# Altium PCB Peak_Track.PcbDoc (part 1 of 2) (continued)
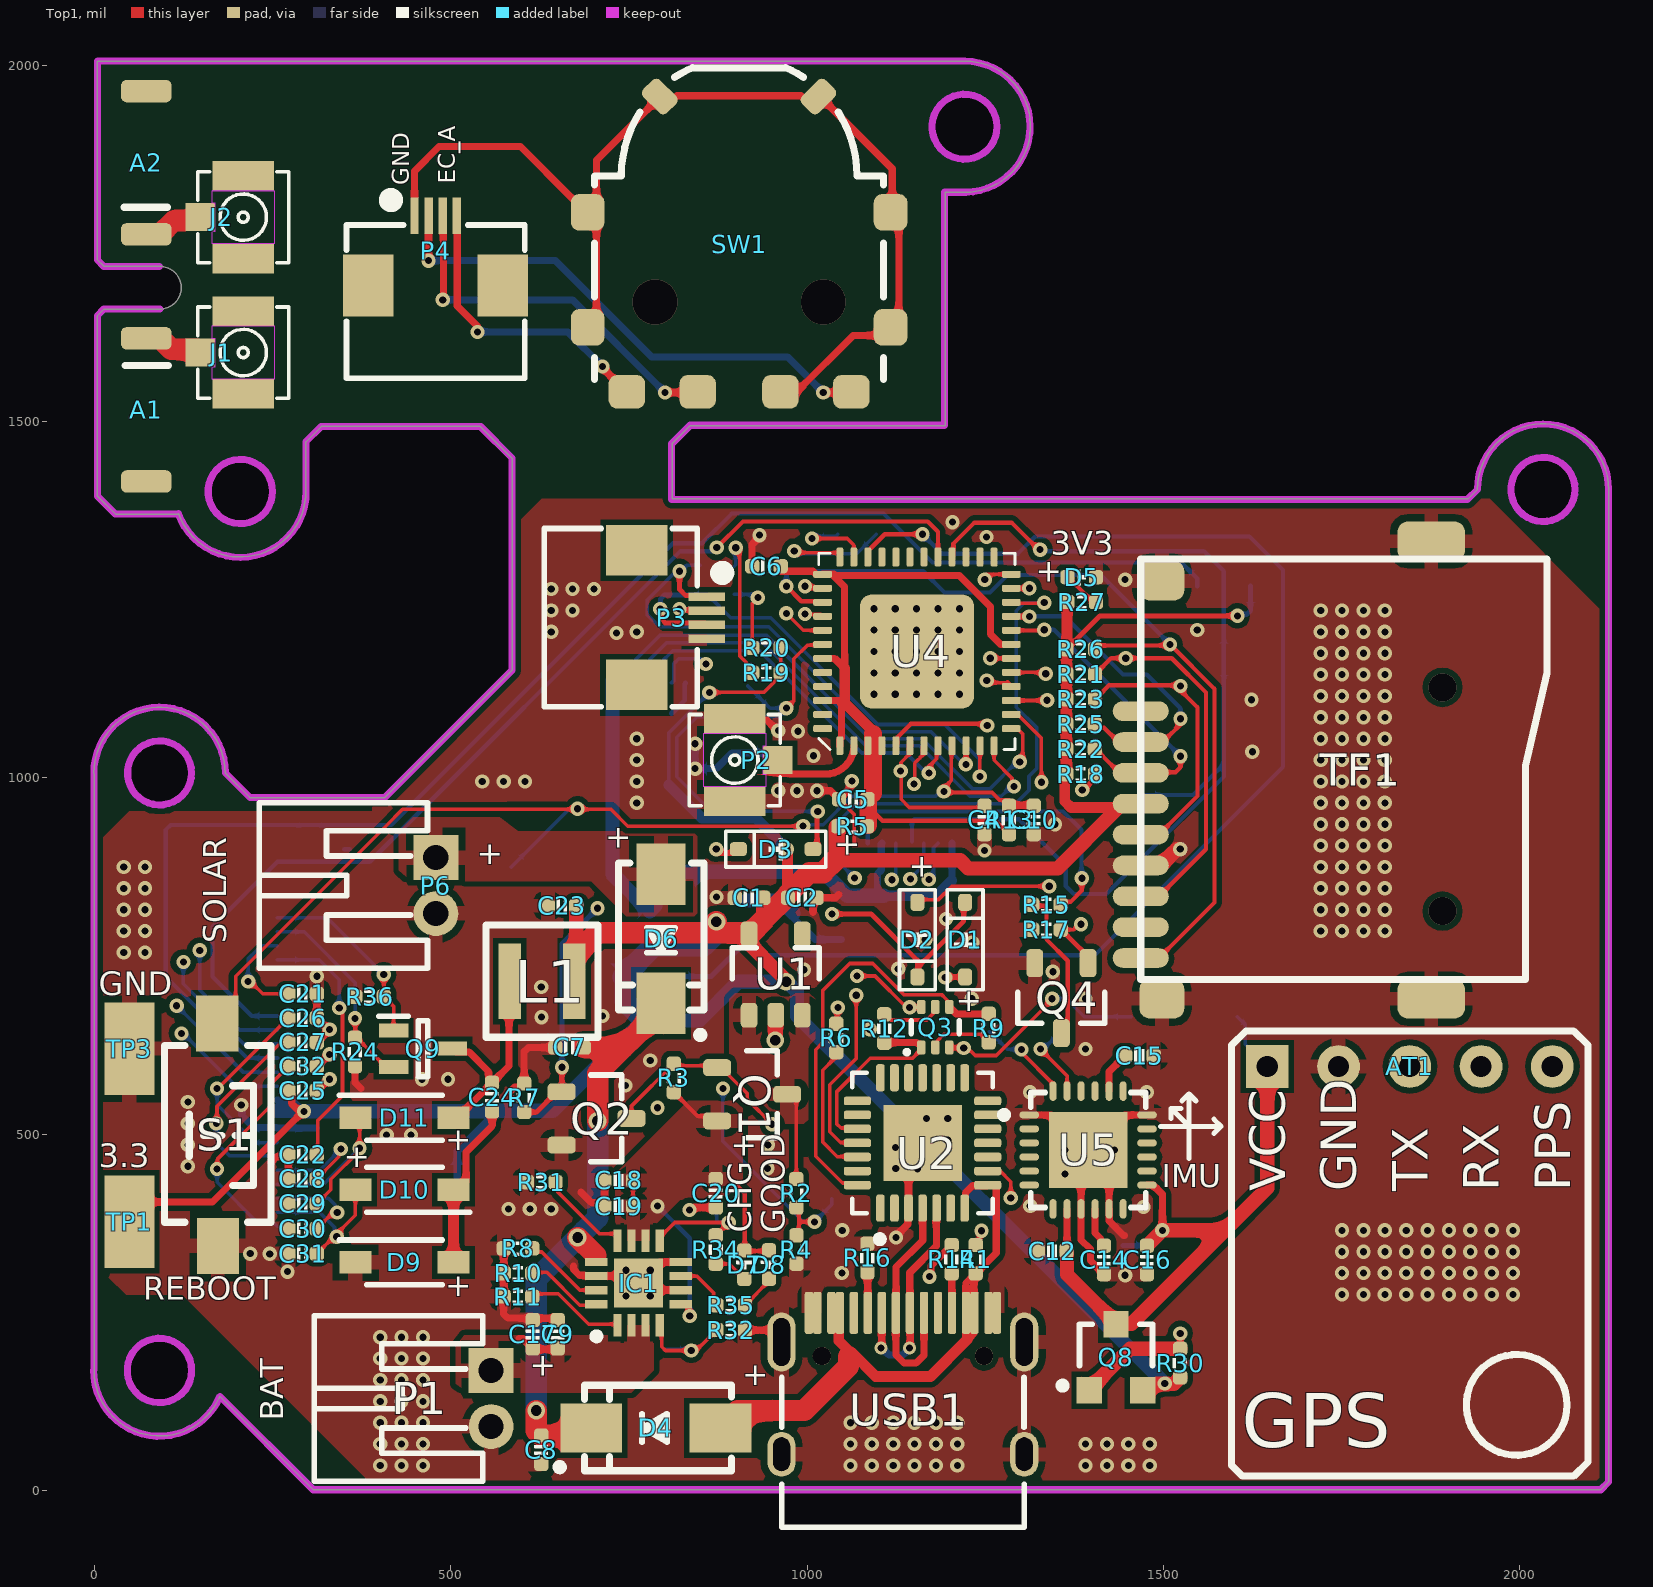
[diagram p0: Top1 view]
## Board outline
-0.7,168.37 -0.7,1005.32 -0.92,1007.32 cw(c91.11,1007.32) 183.13,1007.32 218.08,972.36 407.36,972.36 586,1151 586,1448.62 542.62,1492 540.65,1493.38 318.42,1493.38 296.65,1471.61 296.65,1402.09 cw(c204.63,1402.09) 118.16,1370.61 117.62,1370.24 29.44,1370.24 3.65,1396.04 3.65,1648.24 13.41,1658 91.65,1658 ccw(c91.65,1688) 91.65,1718 13.41,1718 3.65,1727.76 3.65,2006.02 1221.65,2006.02 cw(c1221.65,1914) 1221.65,1821.98 1193.65,1821.98 1193.65,1494.58 835.95,1494.58 810.5,1469.13 810.5,1391.5 1928.35,1391.5 1927.48,1391.5 1940.98,1405 cw(c2033,1405) 2125.02,1405 2125.38,1405 2125.38,242.19 2125.38,12.38 2113.62,0.62 307.38,0.62 176,132 174.72,129.48 cw(c91.32,168.37)
cut-out: 2033,1360 cw(c2033,1405) 1988,1405 cw(c2033,1405) 2033,1450 cw(c2033,1405) 2078,1405 cw(c2033,1405)
cut-out: 1221.65,1869 ccw(c1221.65,1914) 1266.65,1914 ccw(c1221.65,1914) 1221.65,1959 ccw(c1221.65,1914) 1176.65,1914 ccw(c1221.65,1914)
cut-out: 204.63,1447.09 cw(c204.63,1402.09) 249.63,1402.09 cw(c204.63,1402.09) 204.63,1357.09 cw(c204.63,1402.09) 159.63,1402.09 cw(c204.63,1402.09)
cut-out: 46.11,1007.32 cw(c91.11,1007.32) 91.11,1052.32 cw(c91.11,1007.32) 136.11,1007.32 cw(c91.11,1007.32) 91.11,962.32 cw(c91.11,1007.32)
cut-out: 91.32,123.37 cw(c91.32,168.37) 46.32,168.37 cw(c91.32,168.37) 91.32,213.37 cw(c91.32,168.37) 136.32,168.37 cw(c91.32,168.37)

## Design rules (kind name [scope] priority, off if disabled: settings)
BoardOutlineClearance [All] p1: gap=7.87 ignorepadtopadclearanceinfootprint=FALSE except(15.75: Arc-SplitBarrior Arc-SplitContinuation Track-SplitBarrior Track-SplitContinuation SMDPad-SplitBarrior SMDPad-SplitContinuation THPad-SplitBarrior THPad-SplitContinuation Via-SplitBarrior Via-SplitContinuation Fill-SplitBarrior Fill-SplitContinuation Poly-SplitBarrior Poly-SplitContinuation Region-SplitBarrior Region-SplitContinuation Text-SplitBarrior Text-SplitContinuation)
Clearance "Clearance Bottom Layer" [OnLayer('Bottom Layer')] p1: gap=8 ignorepadtopadclearanceinfootprint=TRUE except(10: Arc-Text Track-Text SMDPad-Text THPad-Text Via-Text Fill-Text Poly-Text Region-Text Text-Text)
Clearance "Clearance Top Layer" [OnLayer('Top Layer')] p2: gap=8 ignorepadtopadclearanceinfootprint=TRUE except(10: Arc-Text Track-Text SMDPad-Text THPad-Text Via-Text Fill-Text Poly-Text Region-Text Text-Text)
Clearance [All] p3: gap=7.87 ignorepadtopadclearanceinfootprint=FALSE except(3.5: Arc-Arc Arc-Track Arc-SMDPad Track-Track Track-SMDPad SMDPad-SMDPad; 5: Arc-Via Track-Via SMDPad-Via THPad-Via Via-Via; 10: Arc-Text Track-Text SMDPad-Text THPad-Text Via-Text Fill-Text Poly-Text Region-Text Text-Text)
DiffPairsRouting [All] p1: maxlimit=10 minlimit=10 mostfreqgap=10 toplayer_minwidth=15 toplayer_maxwidth=15 toplayer_prefwidth=15 midlayer1_minwidth=15 midlayer1_maxwidth=15 midlayer1_prefwidth=15 midlayer2_minwidth=15 midlayer2_maxwidth=15 midlayer2_prefwidth=15 bottomlayer_minwidth=15 bottomlayer_maxwidth=15 bottomlayer_prefwidth=15 maxuncoupledlength=500
HoleSize [All] p1: absolutevalues=TRUE maxlimit=248.03 minlimit=7.87 maxpercent=80.000 minpercent=20.000
MinimumAnnularRing [All] p1: minimumring=3
MinimumSolderMaskSliver [All] p1: minsoldermaskwidth=3.94
PolygonConnect PolygonConnect_1 [All] p1: thpad.connectstyle=Relief thpad.reliefconductorwidth=20 thpad.reliefentries=4 thpad.polygonreliefangle="90 Angle" thpad.airgapwidth=10 smdpad.connectstyle=Relief smdpad.reliefconductorwidth=20 smdpad.reliefentries=4 smdpad.polygonreliefangle="90 Angle" smdpad.airgapwidth=10 via.connectstyle=Direct via.reliefconductorwidth=20 via.reliefentries=4 via.polygonreliefangle="90 Angle" via.airgapwidth=10
RoutingCorners [All] p1: cornerstyle=Round minsetback=100 maxsetback=100
RoutingVias [All] p1: holewidth=19.68 width=39.37 viastyle="Through Hole" minholewidth=7.87 minwidth=17.72 maxholewidth=39.37 maxwidth=78.74
SilkToSilkClearance [All] p1: silktosilkclearance=3.94
SilkToSolderMaskClearance [IsPad] p1: minsilkscreentomaskgap=3.94 clearancetoexposedcopper=TRUE
SolderMaskExpansion [All] p1: expansion=4 istentingtop=FALSE
Width [All] p1: maxlimit=100 minlimit=3.5 preferedwidth=15
24 further rules are at their usual default settings.

## Classes and differential pairs
differential pair USB-PWR-D: +USB-PWR-D_P -USB-PWR-D_N

## Components (designator, comment, footprint, x,y, rotation, side; value= is the part's Value field where it differs from the comment)
A1 "AN2051-245" ANT-Rainsun-AN5120 72.65,1517 r270 top
A2 "AN2051-245" ANT-Rainsun-AN5120 72.65,1863 r90 top
AT1 "ATGM336H Module" PCBComponent_1 1596,20 r90 top
C1 "0.1uF" CAP_0402 918.6,831.77 r0 top value=0.1u
C2 "10uF" CAP_0402 993.4,831.77 r180 top value=0.1u
C4 "0.1uF" CAP_0402 1249,941 r90 top value=0.1u
C5 "10uF" CAP_0402 1064.75,970.21 r0 top value=0.1u
C6 "0.1uF" CAP_0402 943,1297 r0 top value=0.1u
C7 "10uF" CAP_0402 666.65,621.68 r0 top value=0.1u
C8 "10uF" CAP_0402 627,57 r90 top value=0.1u
C9 "10uF" CAP_0402 650,219.13 r270 top value=0.1u
C10 "1uF" CAP_0402 1318.22,941 r270 top value=0.1u
C11 "0.1uF" CAP_0402 915,848 r90 bottom value=0.1u
C12 "10nF" CAP_0402 1344,336 r180 top value=0.1u
C13 "0.1uF" CAP_0402 705.36,868.79 r0 bottom value=0.1u
C14 "0.1uF" CAP_0402 1416.8,323.51 r270 top value=0.1u
C15 "2.2nF" CAP_0402 1466.5,610 r180 top value=0.1u
C16 "0.1uF" CAP_0402 1477.18,323.51 r90 top value=0.1u
C17 "10uF" CAP_0402 615.08,219.11 r270 top value=0.1u
C18 "10uF" CAP_0402 735.8,434.99 r0 top value=0.1u
C19 "10uF" CAP_0402 735.8,399 r0 top value=0.1u
C20 "10uF" CAP_0402 872,417 r90 top value=0.1u
C21 "1uF" CAP_0402 292,697 r180 top value=0.1u
C22 "4.7uF" CAP_0402 292,471.25 r0 top value=0.1u
C23 "4.7uF" CAP_0402 656,820.59 r0 top value=0.1u
C24 "4.7uF" CAP_0402 558,552 r90 top value=0.1u
C25 "1uF" CAP_0402 292,561 r180 top value=0.1u
C26 "1uF" CAP_0402 292,663 r180 top value=0.1u
C27 "1uF" CAP_0402 292,629 r180 top value=0.1u
C28 "4.7uF" CAP_0402 292,437.25 r0 top value=0.1u
C29 "4.7uF" CAP_0402 292,402.25 r0 top value=0.1u
C30 "4.7uF" CAP_0402 292,367.25 r0 top value=0.1u
C31 "4.7uF" CAP_0402 292,332.25 r0 top value=0.1u
C32 "1uF" CAP_0402 292,595 r180 top value=0.1u
CT1 "FPC05006-09200" FPC0.5-WT-6P 780.29,1035 r180 bottom
D1 "B5819W" SOD-323 1221.95,772.95 r90 top
D2 "B5819W" SOD-323 1154.78,772.95 r270 top
D3 "B5819W" SOD-323 956,900 r180 top
D4 "SK34A" SMA 787.87,87.66 r180 top
D5 "LTST-C281KGKT" LED_0402_RED 1385.44,1281.79 r0 top value=color?
D6 "SK34A" SMA 795.2,774.26 r270 top
D7 "16-213/SDRC/S530-A3/TR8" LED_0402_RED 911.9,316.82 r270 top value=color?
D8 "LTST-C281KGKT" LED_0402_RED 946.5,317 r270 top value=color?
D9 "MBR0530" SOD3716X135N 435,320 r0 top
D10 "MBR0530" SOD3716X135N 435,421.94 r180 top
D11 "MBR0530" SOD3716X135N 435,523 r0 top
EINK1 "FPC05024-17205" FPC0.5-WT-24P 158,597 r90 bottom
IC1 "BQ24074RGTR" QFN50P300X300X100-17N-D 763.47,291.06 r90 top
IC2 "74LVC1G04W5-7" SOT95P285X140-5N 1585,1218 r90 bottom
J1 "IPEX-4" COAXIAL/SMD/CON/V/I-PEX/W08-5801 208.65,1597 r270 top
J2 "IPEX-4" COAXIAL/SMD/CON/V/I-PEX/W08-5801 208.65,1787 r270 top
L1 "68uH ±20%" SWPA3015 628,714.77 r180 top value=68uH
LC1 "0.5-10P上接" FPC0.5-WT-10P 1134.58,810 r180 bottom
P1 "BAT_CON" PH2.0-W-2P 556.48,129 r270 top
P2 "IPEX-4" COAXIAL/SMD/CON/V/I-PEX/W08-5801 898.6,1025 r90 top
P3 "C191195" FPC0.5-WT-4P 761,1225 r270 top
P4 "C191195" FPC0.5-WT-4P 478.65,1691 r0 top
P6 "SOLAR_CON" PH2.0-W-2P 479,849 r270 top
Q1 "AO3401A" SOT23-3#1 923,556 r0 top
Q2 "AO3400A" SOT23-3#1 704.57,522.06 r0 top
Q3 "EMX1T2R" SOT563-6 1180,650.14 r0 top
Q4 "AO3400A" SOT23-3#1 1357,691 r270 top
Q6 "AO3401A" SOT23-3#2 779.36,766.61 r180 bottom
Q8 "AO3401A" SOT23-3#2 1433.62,187.07 r0 top
Q9 "Si1308EDL-T1-GE3" SOT65P210X110-3N 461,620 r0 top
R1 "10K" RES_0402 1236.7,324.55 r90 top value=22R
R2 "100K" RES_0402 985,417 r90 top value=22R
R3 "20K" RES_0402 813,579 r90 top value=22R
R4 "100K" RES_0402 985.07,338.11 r90 top value=22R
R5 "0R" RES_0402 1064,932 r0 top value=22R
R6 "200R" RES_0402 1041,635 r270 top value=22R
R7 "20K" RES_0402 603,551 r270 top value=22R
R8 "10K" RES_0402 594.41,339.76 r0 top value=22R
R9 "12K" RES_0402 1255,648.88 r270 top value=22R
R10 "1K" RES_0402 594.41,304.78 r0 top value=22R
R11 "10K" RES_0402 594.2,272 r180 top value=22R
R12 "12K" RES_0402 1108.44,648.29 r90 top value=22R
R13 "10K" RES_0402 1283.53,941 r90 top value=22R
R14 "5.1K" RES_0402 1203.06,324.55 r270 top value=22R
R15 "10R" RES_0402 1336,822 r0 top value=22R
R16 "5.1K" RES_0402 1084.74,326.36 r90 top value=22R
R17 "10K" RES_0402 1336,787 r0 top value=22R
R18 "10K" RES_0402 1384.28,1005.18 r0 top value=22R
R19 "10K" RES_0402 943.04,1147.56 r0 top value=22R
R20 "10K" RES_0402 943.04,1182.56 r0 top value=22R
R21 "10K" RES_0402 1384.28,1145.5 r0 top value=22R
R22 "10K" RES_0402 1383.96,1040.5 r0 top value=22R
R23 "10K" RES_0402 1384.28,1110.5 r0 top value=22R
R24 "3R" RES_0402 365.63,615.37 r90 top value=22R
R25 "10K" RES_0402 1383.96,1075.5 r0 top value=22R
R26 "10K" RES_0402 1384.28,1180.65 r0 top value=22R
R27 "10K" RES_0402 1385.44,1246.77 r180 top value=22R
R28 "100K" RES_0402 915,751 r270 bottom value=22R
R30 "100K" RES_0402 1523.77,178.74 r270 top value=22R
R31 "1K" RES_0402 627,432.69 r0 top value=22R
R32 "10K" RES_0402 893,225 r0 top value=22R
R34 "10K" RES_0402 872,338 r90 top value=22R
R35 "10K" RES_0402 893,260 r180 top value=22R
R36 "10K" RES_0402 386,693 r0 top value=22R
R38 "0R" RES_0402 877.93,1297.24 r180 bottom value=22R
R39 "0R" RES_0402 877.93,1257.51 r180 bottom value=22R
S1 "TSA363G25-250B" "SW SMD-3*6*2.5" 173,498 r270 top
SW1 "SIQ-02FVS3" SIQ-02FVS3 904.65,1845 r0 top
TF1 "TF-012D" TF-SOCKET 1796.36,1274.09 r0 top
TP1 "TP" TP_SMD 49,376.98 r90 top
TP2 "TP" "TEST 1" 509,440.05 r90 bottom
TP3 "TP" TP_SMD 49,620 r90 top
TP4 "TP" "TEST 1" 802.81,198.11 r90 bottom
TP5 "TP" "TEST 1" 584.91,875 r180 bottom
TP6 "TP" "TEST 1" 1034.91,409.61 r180 bottom
TP7 "TP" "TEST 1" 917,1129 r180 bottom
TP8 "TP" "TEST 1" 874,409 r180 bottom
TP9 "TP" "TEST 1" 1455,665 r180 bottom
TP10 "TP" TP_SMD 565,690 r90 bottom
TP12 "TP" "TEST 1" 1594,666 r90 bottom
TP14 "TP" "TEST 1" 1256,644 r90 bottom
TP15 "TP" "TEST 1" 1443.36,344 r90 bottom
TP16 "TP" "TEST 1" 1361.37,644 r90 bottom
TP17 "TP" "TEST 1" 1097,1342 r90 bottom
TP18 "TP" "TEST 1" 827.88,859.26 r90 bottom
TP19 "TP" "TEST 1" 1043,1342 r90 bottom
TP20 "TP" "TEST 1" 1470,976.13 r90 bottom
TP22 "TP" "TEST 1" 358.06,900 r90 bottom
TP23 "TP" "TEST 1" 303,917 r90 bottom
U1 "ME6215C33M5G" SOT23-5 956,725.94 r90 top
U2 "CP2102" QFN-28 1162.11,487.65 r90 top value=Value
U4 "ESP32-PICO-D4" QFN-48_7X7 1154.27,1177.56 r90 top locked
U5 "MPU6050" QFN-24 1394.5,477.81 r0 top
USB1 "TYPE-611-T3" Type-C-TOP 1134.58,150 r270 top

## Footprints (in the part's own frame and the unit in brackets; to place one, negate y for a bottom-side part, rotate by r counter-clockwise, add the part's x,y. Pads: shape width x height; smd on the part's side, far side on the other; paste and mask are expansions set on the pad)
ANT-Rainsun-AN5120 [mm]
  rrect50% 0.8x1.8 smd: 1(-2.54,0) ""(2.563,0)
  silkscreen extent -1.57,-0.76 -1.57,0.79, body extent -2.57,-0.91 2.54,0.94, height 1.32
CAP_0402 [mil]
  rrect50% 20x20 smd: 1(-20,0) 2(20,0)
  silkscreen extent -6,-9 6,9, body extent -20,-10 20,10, height 20
COAXIAL/SMD/CON/V/I-PEX/W08-5801 [mm] "https://shop463601444.taobao.com"
  rect 1x1.05 smd: 1(0,-1.525)
  rect 1.05x2.2 smd: 2(-1.475,0) 3(1.475,0)
  Keep-Out Layer pour cut-out: -0.95,1.1 0.95,1.1 0.95,-1.1 0.5,-1.1 0.5,-1 -0.5,-1 -0.5,-1.1 -0.95,-1.1 -0.95,1.1
  silkscreen extent -1.63,-1.63 1.63,1.63
FPC0.5-WT-4P [mm] "长：6.2mm，宽：5.2mm，高：2mm"
  rect 1.8x2.2 smd: 0(-2.4,0) 0(2.4,0)
  rect 0.3x1.3 smd: 1(-0.75,2.497) 2(-0.25,2.497) 3(0.25,2.497) 4(0.75,2.497)
  silkscreen extent -3.18,-3.3 3.18,3.23, body extent -3.1,-3.15 3.1,2.85, height 2
FPC0.5-WT-6P [mm] "长：7.2mm，宽：5.2mm，高：2mm               黄晶宝石"
  rect 1.8x2.2 smd: 0(-2.9,0) 0(2.9,0)
  rect 0.3x1.3 smd: 1(-1.25,2.497) 2(-0.75,2.497) 3(-0.25,2.497) 4(0.25,2.497) 5(0.75,2.497) 6(1.25,2.497)
  silkscreen extent -3.67,-3.3 3.67,3.23, body extent -3.6,-3.15 3.6,2.85, height 2
FPC0.5-WT-10P [mm] "长：9.2mm，宽：5.2mm，高：2mm 淘宝ID:黄晶宝石   店铺网址:https://shop463601444.taobao.com"
  rect 1.8x2.2 smd: 0(-3.9,0) 0(3.9,0)
  rect 0.3x1.3 smd: 1(-2.25,2.497) 2(-1.75,2.497) 3(-1.25,2.497) 4(-0.75,2.497) 5(-0.25,2.497) 6(0.25,2.497) 7(0.75,2.497) 8(1.25,2.497) 9(1.75,2.497) 10(2.25,2.497)
  silkscreen extent -4.67,-3.3 4.67,3.23, body extent -4.6,-3.15 4.6,2.85, height 2
FPC0.5-WT-24P [mm] "长：16.2mm，宽：5.2mm，高：2mm 淘宝ID:黄晶宝石   店铺网址:https://shop463601444.taobao.com"
  rect 1.8x2.2 smd: 0(-7.4,0) 0(7.4,0)
  rect 0.3x1.3 smd: 1(-5.75,2.497) 2(-5.25,2.497) 3(-4.75,2.497) 4(-4.25,2.497) 5(-3.75,2.497) 6(-3.25,2.497) 7(-2.75,2.497) 8(-2.25,2.497) 9(-1.75,2.497) 10(-1.25,2.497) 11(-0.75,2.497) 12(-0.25,2.497) 13(0.25,2.497) 14(0.75,2.497) 15(1.25,2.497) 16(1.75,2.497) 17(2.25,2.497) 18(2.75,2.497) 19(3.25,2.497) 20(3.75,2.497) 21(4.25,2.497) 22(4.75,2.497) 23(5.25,2.497) 24(5.75,2.497)
  silkscreen extent -8.18,-3.3 8.18,3.23, body extent -8.1,-3.15 8.1,2.85, height 2
LED_0402_RED [mil]
  rrect50% 20x20 smd: 1(-20,0) 2(20,0)
  silkscreen extent -6,-10 6,10, body extent -20,-10 20,10, height 18
PCBComponent_1 [mil]
  rect 60x60 hole 30: 1(575,-50)
  round 60 hole 30: 2(575,-150) 3(575,-250) 4(575,-350) 5(575,-450)
  silkscreen extent 0,-500 625,0
PH2.0-W-2P [mm] "长：5.9mm，宽：6mm，高：4.7mm"
  rect 1.6x1.6 hole 0.9: 1(-1,0)
  round 1.6 hole 0.9: 2(1,0)
  silkscreen extent -2.95,-6.3 2.95,-0.3, body extent -2.95,-6.3 2.95,0.3, height 4.75
QFN50P300X300X100-17N-D [mm]
  rect 0.8x0.3 smd: 1(-1.5,0.75) 2(-1.5,0.25) 3(-1.5,-0.25) 4(-1.5,-0.75) 9(1.5,-0.75) 10(1.5,-0.25) 11(1.5,0.25) 12(1.5,0.75)
  rect 0.3x0.8 smd: 5(-0.75,-1.5) 6(-0.25,-1.5) 7(0.25,-1.5) 8(0.75,-1.5) 13(0.75,1.5) 14(0.25,1.5) 15(-0.25,1.5) 16(-0.75,1.5)
  rect 1.75x1.75 smd: 17(0,0)
  silkscreen extent -2.02,1.37 -1.78,1.62, body extent -1.5,-1.5 1.5,1.5, height 1
QFN-24 [mm]
  oval 0.7x0.25 smd: 1(-2.1,1.25) 2(-2.1,0.75) 3(-2.1,0.25) 4(-2.1,-0.25) 5(-2.1,-0.75) 6(-2.1,-1.25) 13(2.1,-1.25) 14(2.1,-0.75) 15(2.1,-0.25) 16(2.1,0.25) 17(2.1,0.75) 18(2.1,1.25)
  oval 0.25x0.7 smd: 7(-1.25,-2.1) 8(-0.75,-2.1) 9(-0.25,-2.1) 10(0.25,-2.1) 11(0.75,-2.1) 12(1.25,-2.1) 19(1.25,2.1) 20(0.75,2.1) 21(0.25,2.1) 22(-0.25,2.1) 23(-0.75,2.1) 24(-1.25,2.1)
  rect 2.8x2.7 smd: ""(0,0)
  silkscreen extent -3.12,-2.05 2.05,2.05, body extent -2.02,-2.02 2.02,2.02, height 0.95
QFN-28 [mil]
  rrect50% 38x12 smd mask+5: 1(-91.5,59.06) 2(-91.5,39.37) 3(-91.5,19.68) 4(-91.5,0) 5(-91.5,-19.68) 6(-91.5,-39.37) 7(-91.5,-59.06) 15(91.5,-59.06) 16(91.5,-39.37) 17(91.5,-19.68) 18(91.5,0) 19(91.5,19.68) 20(91.5,39.37) 21(91.5,59.06)
  rrect50% 12x38 smd mask+5: 8(-59.06,-91.5) 9(-39.37,-91.5) 10(-19.68,-91.5) 11(0,-91.5) 12(19.68,-91.5) 13(39.37,-91.5) 14(59.06,-91.5) 22(59.06,91.5) 23(39.37,91.5) 24(19.68,91.5) 25(0,91.5) 26(-19.68,91.5) 27(-39.37,91.5) 28(-59.06,91.5)
  rect 106.3x110.24 smd: 29(0,0)
  silkscreen extent -140,-98 98,98, body extent -99,-99 98,98, height 35
QFN-48_7X7 [mm]
  rrect50% 0.675x0.25 smd: 1(-3.363,2.75) 2(-3.363,2.25) 3(-3.363,1.75) 4(-3.363,1.25) 5(-3.363,0.75) 6(-3.363,0.25) 7(-3.363,-0.25) 8(-3.363,-0.75) 9(-3.363,-1.25) 10(-3.363,-1.75) 11(-3.363,-2.25) 12(-3.363,-2.75) 25(3.363,-2.75) 26(3.363,-2.25) 27(3.363,-1.75) 28(3.363,-1.25) 29(3.363,-0.75) 30(3.363,-0.25) 31(3.363,0.25) 32(3.363,0.75) 33(3.363,1.25) 34(3.363,1.75) 35(3.363,2.25) 36(3.363,2.75)
  rrect50% 0.25x0.675 smd: 13(-2.75,-3.363) 14(-2.25,-3.363) 15(-1.75,-3.363) 16(-1.25,-3.363) 17(-0.75,-3.363) 18(-0.25,-3.363) 19(0.25,-3.363) 20(0.75,-3.363) 21(1.25,-3.363) 22(1.75,-3.363) 23(2.25,-3.363) 24(2.75,-3.363) 37(2.75,3.363) 38(2.25,3.363) 39(1.75,3.363) 40(1.25,3.363) 41(0.75,3.363) 42(0.25,3.363) 43(-0.25,3.363) 44(-0.75,3.363) 45(-1.25,3.363) 46(-1.75,3.363) 47(-2.25,3.363) 48(-2.75,3.363)
  rrect20% 4.064x4.064 smd: 49(0,0)
  silkscreen extent -3.5,-3.5 3.5,3.5, body extent -3.5,-3.5 3.5,3.5, height 1
RES_0402 [mil]
  rrect50% 20x20 smd: 1(-20,0) 2(20,0)
  silkscreen extent -7,-10 7,10, body extent -20,-10 20,10, height 14
SIQ-02FVS3 [mm]
  rrect50% 1.3x1.2 smd: 1(-4,-7.7) 2(-1.475,-7.7) 3(1.475,-7.7) 4(4,-7.7)
  rrect50% 1.2x1.3 smd: 5(-5.4,-5.4) 5(-5.4,-1.3) 5(5.4,-5.4) 5(5.4,-1.3)
  rrect50% 0.85x1.2 smd rot 45: 5(-2.828,2.828)
  rrect50% 0.85x1.2 smd rot 135: 5(2.828,2.828)
  silkscreen extent -5.15,-7.25 5.15,3.86, body extent -7.2,-7.5 7.2,7.25, height 4.06
SMA [mm] "4.5x2.6*2.2mm（长宽高，不包括引脚）联系卖家 免费查找封装"
  rect 2.2x1.75 smd: 1(-2.3,0) 2(2.3,0)
  silkscreen extent -2.7,-1.52 3.56,1.52, body extent -2.55,-1.3 2.55,1.3, height 2.15
SOD3716X135N [mm]
  rect 1.15x0.8 smd: 1(-1.75,0) 2(1.75,0)
  silkscreen extent -2.32,-0.8 1.35,0.8, body extent -1.86,-0.8 1.86,0.8, height 1.35
SOD-323 [mm]
  rrect50% 0.6x0.5 smd: 1(-1.329,0) 2(1.329,0)
  silkscreen extent -1.78,-0.64 1.78,0.64, body extent -1.3,-0.68 1.3,0.67, height 1.15
SOT23-3#1 [mm]
  rrect50% 1x0.6 smd: 1(-1.246,0.95) 2(-1.246,-0.95) 3(1.246,0)
  silkscreen extent -0.2,-1.55 0.9,1.55, body extent -1.3,-1.45 1.5,1.45, height 1.2
SOT23-3#2 [mm]
  rect 0.9x0.95 smd: 1(-0.95,-1.175) 2(0.95,-1.175) 3(0,1.175)
  silkscreen extent -2.03,-1.14 1.3,1.18, body extent -1.45,-1.4 1.45,1.4, height 1.2
SOT23-5 [mm]
  rrect50% 0.889x0.6 smd: 1(-1.5,0.95) 2(-1.5,0) 3(-1.5,-0.95) 4(1.396,-0.95) 5(1.396,0.95)
  silkscreen extent -0.2,-1.55 0.9,1.55, body extent -1.48,-1.45 1.32,1.45, height 1.2
SOT65P210X110-3N [mm]
  rect 1.05x0.5 smd: 1(-1.05,0.65) 2(-1.05,-0.65) 3(1.05,0)
  silkscreen extent -1.58,-1 0.18,1.15, body extent -1.05,-1 1.05,1, height 1.1
SOT95P285X140-5N [mm]
  rect 1.15x0.6 smd: 1(-1.3,0.95) 2(-1.3,0) 3(-1.3,-0.95) 4(1.3,-0.95) 5(1.3,0.95)
  silkscreen extent -1.88,-1.5 0.38,1.5, body extent -1.43,-1.5 1.42,1.5, height 1.4
SOT563-6 [mm]
  rrect50% 0.305x0.5 smd paste+0 mask+0: 1(-0.5,-0.723) 2(0,-0.723) 3(0.5,-0.723) 4(0.5,0.723) 5(0,0.723) 6(-0.5,0.723)
  silkscreen extent -1.09,-0.97 0.85,0.23, body extent -0.8,-0.8 0.8,0.8, height 0.6
"SW SMD-3*6*2.5" [mm] "3*6*2.5mm"
  rect 2x1.5 smd: 1(-3.996,-0.02) 2(3.937,0)
  silkscreen extent -3.21,-1.9 3.09,1.9, body extent -4,-1.75 4,1.75, height 2.59
SWPA3015 [mm] "轮廓3mm*3mm ，焊盘间距1.5mm          淘宝ID:黄晶宝石"
  rect 0.8x2.7 smd: 1(-1.15,0) 2(1.15,0)
  silkscreen extent -2,-2 2,2, body extent -1.5,-1.5 1.5,1.5, height 1.5
"TEST 1" [mm] "测试点1mm"
  round 1 smd paste-1: 1(0,0)
TF-SOCKET [mm]
  oval 2x0.7 smd: 1(-8.331,-4.582) 2(-8.331,-5.682) 3(-8.331,-6.782) 4(-8.331,-7.882) 5(-8.331,-8.982) 6(-8.331,-10.082) 7(-8.331,-11.182) 8(-8.331,-12.282) 9(-8.331,-13.382)
  rrect50% 1.6x1.4 smd: 10(-7.577,-14.836) 10(-7.577,0.068)
  rrect50% 2.4x1.4 smd: 10(2.023,-14.836) 10(2.023,1.476)
  silkscreen extent -8.33,-14.15 6.15,0.84, body extent -8.87,-14.81 8.18,1.29, height 2.05
TP_SMD [mil]
  rect 130x70 smd: 1(0,0)
  body extent -57,-18 57,22, height 79
Type-C-TOP [mm]
  round 0.65 hole 0.65: 0(-0.98,2.89) 0(-0.98,-2.89)
  oval 1.6x1 hole 0.6 slot 1.2 at 0 deg: 1(2.52,4.325) 2(2.52,-4.325)
  oval 2.1x1 hole 0.6 slot 1.7 at 0 deg: 3(-1.48,-4.325) 4(-1.48,4.325)
  rrect50% 1.5x0.3 smd: A1(-2.52,-3.35) A4(-2.52,-2.55) A5(-2.52,-1.25) A6(-2.52,-0.25) A7(-2.52,0.25) A8(-2.52,1.25) A9(-2.52,2.55) A12(-2.52,3.35) B1(-2.52,3.05) B4(-2.52,2.25) B5(-2.52,1.75) B6(-2.52,0.75) B7(-2.52,-0.75) B8(-2.52,-1.75) B9(-2.52,-2.25) B12(-2.52,-3.05)
  silkscreen extent -0.22,-4.33 5.12,4.33, body extent -2.57,-4.48 5.18,4.47, height 3.26

## Part data
A1 A2: library part ANT-Rainsun-AP5120, "footprint: 2051", LCSC PART #=C99727
C1 C2 C4 C5 C6 C7 C8 C9 C11 C12 C13 C14 C15 C16 C17 C18 C19 C20 C22 C23 C24 C28 C29 C30 C31: library part 电容-0402, "Capacitor"
C10 C21 C25 C26 C27 C32: library part 电容-0402, "Capacitor", LCSC PART #=C52923
CT1: library part CTP, "下接6p"
D1 D2 D3: library part 二极管-5819W, "40V", LCSC PART #=C8598
D4 D6: library part SK34AFL-TP, "GOOD_ARK Schottky Diode", LCSC PART #=C85269, Manufacturer_Name="Micro Commercial Components (MCC)", Mouser Part Number=833-SK34AFL-TP, Arrow Part Number=SK34AFL-TP, Arrow Price/Stock=https://www.arrow.com/en/products/sk34afl-tp/micro-commercial-components?region=europe, Datasheet Link=https://www.mouser.de/datasheet/2/258/SK32AFL_SK310AFL_DO_221AC_-2492378.pdf, Height=1.25mm, Manufacturer_Part_Number=SK34AFL-TP, Mouser Price/Stock=https://www.mouser.co.uk/ProductDetail/Micro-Commercial-Components-MCC/SK34AFL-TP?qs=%2F9jDaHz9Z2hx3laGbsEE%252BA%3D%3D
D5 D8: library part LED_0402, "GREEN_LED", LCSC PART #=C160479, Type=0402
D7: library part LED_0402, "RED_LED", LCSC PART #=C71911, Type=0402
D9 D10 D11: "Diode", LCSC PART #=C77336, Manufacturer_Name=onsemi, Mouser Part Number=512-MBR0530, Arrow Part Number=MBR0530, Arrow Price/Stock=https://www.arrow.com/en/products/mbr0530/on-semiconductor?region=nac, Datasheet Link=http://www.onsemi.com/pub/Collateral/MBR0530T1-D.PDF, Height=1.35mm, Manufacturer_Part_Number=MBR0530, Mouser Price/Stock=https://www.mouser.co.uk/ProductDetail/ON-Semiconductor-Fairchild/MBR0530?qs=VOMQJJE%252BBNniwJKcE3T43Q%3D%3D
EINK1: library part EINK, "上接24p"
IC1: "Integrated Circuit", Manufacturer_Name="Texas Instruments", Mouser Part Number=595-BQ24074RGTR, Arrow Part Number=BQ24074RGTR, Arrow Price/Stock=https://www.arrow.com/en/products/bq24074rgtr/texas-instruments?region=nac, Datasheet Link=http://www.ti.com/lit/ds/symlink/bq24074.pdf, Height=1mm, Manufacturer_Part_Number=BQ24074RGTR, Mouser Price/Stock=https://www.mouser.co.uk/ProductDetail/Texas-Instruments/BQ24074RGTR?qs=ZV%2Fxhq4oszp2Nll7fIx5wg%3D%3D
IC2: "Integrated Circuit", Manufacturer_Name="Diodes Inc.", Mouser Part Number=621-74LVC1G04W5-7, Arrow Part Number=74LVC1G04W5-7, Arrow Price/Stock=https://www.arrow.com/en/products/74lvc1g04w5-7/diodes-incorporated?region=nac, Datasheet Link=https://www.diodes.com/assets/Datasheets/74LVC1G04.pdf, Height=1.4mm, Manufacturer_Part_Number=74LVC1G04W5-7, Mouser Price/Stock=https://www.mouser.co.uk/ProductDetail/Diodes-Incorporated/74LVC1G04W5-7?qs=8Dv1RiiPiVJr3C1LRLmsKw%3D%3D
J1 J2: library part Socket, "Socket", LatestRevisionDate=17-Jul-2002, LatestRevisionNote="Re-released for DXP Platform.", Publisher="Altium Limited"
L1: library part "Inductor Iron", "Magnetic-Core Inductor", LCSC PART #=C2925423, LatestRevisionDate=17-Jul-2002, LatestRevisionNote="Re-released for DXP Platform.", PackageDescription="Axial Device, Thru-Hole; 2 Leads; 0.9 in Pin Spacing", PackageReference=AXIAL-0.9, Published=24-Mar-1999, Publisher="Altium Limited"
LC1: library part LCD, "上接10p", LCSC PART #=C11085
P1 P6: library part "Header 2", "PH2.0-2P-LT", LatestRevisionDate=17-Jul-2002, LatestRevisionNote="Re-released for DXP Platform.", Publisher="Altium Limited"
P2: library part Plug, "Plug", LatestRevisionDate=17-Jul-2002, LatestRevisionNote="Re-released for DXP Platform.", Publisher="Altium Limited"
P3 P4: library part "Header 4", "Header, 4-Pin", LatestRevisionDate=17-Jul-2002, LatestRevisionNote="Re-released for DXP Platform.", LCSC PART #=C191195, Publisher="Altium Limited"
Q1 Q6 Q8: "P-MOS", LCSC PART #=C15127
Q2 Q4: "N-MOS"
Q3: library part BC847BVC-7
Q9: "MOSFET (N-Channel)", Arrow Part Number=SI1308EDL-T1-GE3, LCSC PART #="LCSC PART #", Manufacturer_Name=Vishay, Mouser Part Number=78-SI1308EDL-T1-GE3, Arrow Price/Stock=https://www.arrow.com/en/products/si1308edl-t1-ge3/vishay?region=nac, Datasheet Link=https://componentsearchengine.com/Datasheets/1/SI1308EDL-T1-GE3.pdf, Height=1.1mm, Manufacturer_Part_Number=Si1308EDL-T1-GE3, Mouser Price/Stock=https://www.mouser.co.uk/ProductDetail/Vishay-Semiconductors/SI1308EDL-T1-GE3?qs=bX1%252BNvsK%2FBramh9tgpOaEw%3D%3D
R1 R2 R3 R4 R5 R6 R7 R8 R10 R11 R13 R14 R16 R17 R18 R19 R20 R21 R22 R23 R24 R25 R26 R27 R28 R30 R31 R32 R34 R35 R36 R38 R39: library part 电阻-0402, "Resistor"
R9 R12: library part 电阻-0402, "Resistor", LCSC PART #=C25752
R15: library part 电阻-0402, "Resistor", LCSC PART #=C25077
S1: library part SW-SPST, "Single-Pole, Single-Throw Switch", LatestRevisionDate=17-Jul-2002, LatestRevisionNote="Re-released for DXP Platform.", PackageDescription="Switch; 2 Leads", PackageReference=SPST-2, Published=24-Mar-1999, Publisher="Altium Limited"
SW1: library part "Rotary Encoder", "Rotary Encoder", BOM_JLCPCB Part Class="Extended Part", BOM_Manufacturer=ALPSALPINE, BOM_Manufacturer Part=EC11E1534443, LCSC PART #=C2925423, BOM_Supplier=LCSC, BOM_Supplier Part=C1322543, Contributor=LCSC, spicePre=S, spiceSymbolName=EC11E1534443
TF1: library part TF卡座, "8脚自弹"
U1: library part LP2992, "LDO module changed, BYPASS now is NC"
U2: "USB转TTL", MFG #1="SILICON LABS", PART DESC="SINGLE-CHIP USB TO UART BRIDGE, QFN28, RoHS.", PART NUMBER=CP2102, RefDes=RefDes, Type=DEV
U4: library part ESP32-PICO, LCSC PART #=C193707
U5: "六轴传感器", LCSC PART #=C24112
USB1: library part USB-Type-C-TOP, "16pin"

## Via types
v1: diameter 20, hole 10, Top1 to Bottom4, tented both sides, 377 vias
v2: diameter 25, hole 15, Top1 to Bottom4, tented both sides, 6 vias
v3: diameter 62.99, hole 62.99, Top1 to Bottom4, 2 vias
v4: diameter 39.37, hole 39.37, Top1 to Bottom4, 2 vias
v5: diameter 18, hole 10, Top1 to Bottom4, tented both sides, 2 vias
v6: diameter 20, hole 10, Top1 to Bottom4, 1 vias

## Nets (pads, with @x,y where several pads share a name; then routed paths per layer and width w, separated by ;. In a path a pad name is that pad's centre, name@x,y a point inside that pad or via, vN(x,y) a via of type N, cw(c..) or ccw(c..) an arc to the next point about the centre after c; other vN are vias at no path point)
3V3A: C5.2 C6.2 R5.2 R13.1 U4.1 U4.3 U4.4 U4.19 U4.37 U4.43 U4.46 | length 1114.8
  Top1 w6: C5.2@1084.75,970.21 1086,968.96 1089.12,965.84 1089.12,956.78 1105.91,940 1264.53,940 1279.53,925 R13.1@1279.53,924
  Top1 w10: C6.2@959.56,1289.5 960.06,1290 1008.46,1290 U4.37@1012.71,1285.75 ; U4.37@1021.81,1285.75 U4.37@1021.89,1285.83 1035.23,1285.83 ; U4.46@1021.89,1108.66 1049.78,1108.66 1052.78,1105.66 ; U4.43@1021.89,1167.72 1021.96,1167.64 1038.67,1167.64 1052.78,1153.54 1052.78,1268.28 1035.23,1285.83 ; U4.1@1046,1045.18 1046,1053.39 1048.53,1055.91 1048.53,1102.54 1046.17,1104.9 ; U4.19@1286.65,1187.4 1286.57,1187.32 1271.9,1187.32 1257.27,1201.96 1257.27,1240.74 1213.73,1284.28 1039.34,1284.28 1037.79,1285.83 1035.23,1285.83
  Top1 w15: 1052.51,1105.47 1092.77,1065.21 ; 1052.78,1105.66 1052.78,1153.54
  Top1 w20: C5.2@1084.75,970.21 1086,971.46 C5.2@1092.77,978.23
  Top1 w25: R5.2@1086,934 1086,968.96 1086,971.46 C5.2@1088.76,974.22 ; C5.2@1092.77,978.23 1092.77,1062
BAT_DET: C4.2 R2.1 R4.2 TP6.1 U4.6 | length 1213
  Top1 w5: R2.1@985,397 988.46,393.54 988.46,377 ; R4.2@985.07,358.11 988.46,361.5 988.46,377 ; v1(1010.49,376.98) 988.46,377 ; v1(1131.36,1009.62) 1132,1008.98 1132,969.84 1143.34,958.5 1246.5,958.5 C4.2@1249,961 ; v1@1132,1009.62 1132,1022 U4.6@1143,1033
  Top1 w7: U4.6@1143,1033 1143,1043.6 U4.6@1144.5,1045.1
  Top1 w10: U4.6@1144.42,1045.18 U4.6@1144.5,1045.1
  signal3 w5: v1(882,564) 925.53,564 1003.12,641.59 1003.12,709.12 1043.5,749.5 1087.94,749.5 1195.5,857.06 1195.5,901.56 1132,965.06 1132,1008.98 v1(1131.36,1009.62)
  Bottom4 w5: v1(882,564) 882,489.86 994.87,376.98 v1(1010.49,376.98) 1034.91,401.41 TP6.1@1034.91,409.61
BOOT: Q3.3 TP9.1 U4.23 | length 1025.6
  Top1 w5: v1@1221.14,623.92 1228.7,616.36 1230.11,616.36 1236.09,610.38 1265.59,610.38 1344,688.79 v1(1344,690) ; U4.23@1286.65,1266.14 v1@1311.82,1266.14
  Top1 w6: Q3.3@1199.69,625.68 Q3.3@1200.03,625.34 ; Q3.3@1200.03,621.34 v1@1217.62,621.34
  signal3 w5: v1@1311.82,1266.14 1339.79,1266.14 1355.16,1250.77 1355.16,1192.43 1314.08,1151.35 1314.08,1105.72 1415.13,1004.67 1415.13,764.69 1344,693.56 v1(1344,690)
  Bottom4 w5: v1(1344,690) 1364.25,690 1389.25,665 TP9.1@1455,665
  other v1: 1220,621 1312,1266.14
BUSY: EINK1.16 TP22.1 U4.29 | length 1486.7
  Top1 w6: v1(873.26,1323.26) 910,1360 1169.35,1360 1183.79,1345.55 U4.29@1183.79,1309.94
  Bottom4 w6: EINK1.16@256.31,665.9 220.57,665.9 165.62,720.84 165.62,791.06 256.91,882.34 386.34,882.34 822.31,1318.31 868.31,1318.31 v1(873.26,1323.26) ; TP22.1@350.48,900 TP22.1@358.06,900
CHG_DET: IC1.9 R34.2 TP8.1 U4.7 | length 1033.5
  Top1 w5: IC1.9@793,350.11 793,354.59 814.41,376 v1(890,376) R34.2@872,358 ; v1(1150,991.5) 1151,992.5 1151,1020.87 U4.7@1162.19,1032.06
  Top1 w6: U4.7@1162.19,1032.06 1162.19,1043.26 U4.7@1164.11,1045.18
  signal3 w5: v1(890,376) 901,387 901,521.28 1018.58,638.86 1018.58,700.31 1057.77,739.5 1092.09,739.5 1205.5,852.91 1205.5,922.5 1150,978 v1(1150,991.5)
  Bottom4 w5: TP8.1@874,409 873,408 873,378.63 875.63,376 v1(890,376)
CP_Rx: U2.25 U4.41 | length 1155.5
  Top1 w5: v1(971,1231) 994.91,1207.09 U4.41@1021.89,1207.09 ; U2.25@1063.4,487.65 1062.87,488.18 1047.29,488.18 1032,503.47 1032,569.14 1069,606.14 v1(1069,695)
  signal3 w5: v1(971,1231) 971,1171.89 1089.89,1053 1222.16,1053 1261,1014.16 1261,967.35 1270,958.35 1270,890.72 1227,847.72 1227,803 1119,695 v1(1069,695)
CP_Tx: R6.1 U4.40 | length 934.7
  Top1 w5: v1(997,1230) 1018.66,1230 U4.40@1021.89,1226.77 ; R6.1@1041,659 1042.13,660.13 1042.13,676.74 v1(1043.25,677.87)
  signal3 w5: v1(997,1230) 997,1162.86 1094.65,1065.21 1225.51,1065.21 1272,1018.72 1272,975.67 1280,967.67 1280,886.58 1237,843.58 1237,798.86 1113.64,675.5 1045.62,675.5 v1(1043.25,677.87)
CPT_EINT: CT1.3 U4.8 | length 528.1
  Top1 w5: v1(1171,1007) 1171,1016.08 1181.79,1026.87 1181.79,1043.18 U4.8@1183.79,1045.18
  Bottom4 w5: CT1.3@790.13,1133.31 793.54,1136.71 793.54,1160.54 811.49,1178.5 933.27,1178.5 1076.77,1035 1139,1035 1167,1007 v1(1171,1007)
CPT_RST: CT1.2 EINK1.15 LC1.6 U4.24 | length 2378.1
  Top1 w5: v1(1249.47,1278.24) 1249.47,1280.47 1254.83,1285.83 U4.24@1286.65,1285.83
  signal3 w5: v1(147.62,758.04) 150.49,760.91 162.77,760.91 163.36,761.5 429.13,761.5 439.13,751.5 704.9,751.5 721.44,768.04 913.62,768.04 927.08,781.5 1046.39,781.5 1119.02,854.12 v1(1119.02,857.12) ; v1(858,1160) 873.78,1160 ; 916.5,1291.75 893.5,1268.75 893.5,1179.72 873.78,1160 ; 916.5,1291.8 982.2,1357.5 1121.64,1357.5 1200.9,1278.24 v1(1249.47,1278.24) ; v1@1124,865 1124,925.44 1091.5,957.94 1091.5,1004.72 979.83,1116.39 917.39,1116.39 873.78,1160
  Bottom4 w5: v1(147.62,758.04) 147.62,702.39 203.8,646.21 EINK1.15@256.31,646.21 ; CT1.2@809.82,1133.31 813.22,1136.71 813.22,1160.54 820.08,1167.4 850.6,1167.4 v1(858,1160) ; v1(1119.02,857.12) 1119.02,860.01 1124.37,865.37 1124.37,907.94 LC1.6@1124.74,908.31
CPT_SCL: CT1.5 TP16.1 U4.13 U5.23 | length 1328.7
  Top1 w5: U4.13@1286.65,1069.29 1295.02,1069.29 1303,1061.31 1303,1027 v1(1298.6,1022.6) ; v1(1327.7,619.37) 1364.97,582.1 U5.23@1364.97,560.48
  signal3 w5: v1(1298.6,1022.6) 1309,1012.21 1309,887.3 1260.5,838.8 1260.5,687.08 1327.7,619.88 v1(1327.7,619.37)
  Bottom4 w5: CT1.5@750.76,1133.31 754.17,1136.71 754.17,1160.54 794.12,1200.5 942.39,1200.5 1087.89,1055 1161.89,1055 1232.39,984.5 1256.34,984.5 1294.44,1022.6 v1(1298.6,1022.6) ; v1(1327.7,619.37) 1331.76,619.37 1356.39,644 TP16.1@1361.37,644
CPT_SDA: CT1.4 TP14.1 U4.12 U5.24 | length 1260.6
  Top1 w5: U4.12@1262.53,1045.18 1262.53,1024.81 1287.63,999.71 1287.63,990.87 v1(1290.5,988) ; v1(1301,619) 1301,614.82 1345.29,570.53 U5.24@1345.29,560.48
  signal3 w5: v1(1290.5,988) 1291,987.5 1291,883.44 1249.5,841.94 1249.5,670.5 v1(1301,619)
  Bottom4 w5: CT1.4@770.45,1133.31 773.85,1136.71 773.85,1160.54 802.81,1189.5 937.83,1189.5 1082.33,1045 1157.75,1045 1228.25,974.5 1272.5,974.5 1286,988 v1(1290.5,988) ; TP14.1@1256,644 1281,619 v1(1301,619)
DTR: Q3.4 R9.1 U2.28 | length 584.9
  Top1 w5: U2.28@1063.4,428.59 1060.21,431.78 1049.22,431.78 1012,469 1012,618.72 1021.89,628.6 1021.89,701.63 1059.75,739.5 1092.09,739.5 1135.64,695.95 1188.77,695.95 1194.5,690.21 1194.5,690.11 1196.5,688.12 1196.5,685.8 Q3.4@1199.69,682.61
  Top1 w10: Q3.4@1199.69,678.61 1199.69,674.76 1200.69,673.76 1204.53,673.76 1209.41,668.88 R9.1@1255,668.88
EC_A: P3.1 R38.2 U4.10 | length 741.7
  Top1 w5: v1(1222.9,1019.09) 1223.04,1019.23 U4.10@1223.04,1043.3
  Top1 w7: v1(821,1290.09) 821,1264.64 829.79,1255.85 857.98,1255.85 P3.1@859.31,1254.53
  Bottom4 w5: R38.2@850.03,1298.45 849.97,1298.39 848.44,1298.39 831.43,1298.39 823.12,1290.09 v1(821,1290.09) 816.19,1290.09 775.5,1249.39 775.5,1229.34 792.84,1212 946.44,1212 1093.44,1065 1174,1065 1219.91,1019.09 v1(1222.9,1019.09)
EC_B: P3.3 R39.2 U4.11 | length 709.1
  Top1 w5: v1(1242.5,1002) 1242.68,1002.18 1242.68,1045 U4.11@1242.85,1045.18
  Top1 w7: v1(794,1237) 795.2,1235.8 795.2,1223.2 800.84,1217.56 856.9,1217.56 P3.3@859.31,1215.16
  Bottom4 w5: R39.2@860.21,1257.47 892.75,1224.92 949.08,1224.92 1099,1075 1193.15,1075 1242,1026.15 1242,1002.5 v1(1242.5,1002)
  Bottom4 w7: v1(794,1237) 794.54,1237.53 794.54,1251.46 800,1256.92 R39.2@859.66,1256.92
EC_KEY: D1.2 D2.2 P3.2 | length 856
  Top1 w7: v1(821,1237.06) 822.11,1235.95 858.2,1235.95 P3.2@859.31,1234.84 ; v1(1035,809) 1090.12,809 1154.78,744.33 1154.78,733.8 ; D2.2@1154.78,720.61 1154.78,733.8 ; D1.2@1227,825.36 1219.87,818.23 1219.87,798.89 1154.78,733.8
  signal3 w7: v1(821,1237.06) 821,1008.84 1020.84,809 v1(1035,809)
EC_KEY_DET: D2.1 R18.2 U4.16 | length 626.7
  Top1 w5: D2.1@1154.78,825.29 1158.82,829.32 1184.48,829.32 1203.16,848 v1(1340,848) ; v1@1255.48,1133.61 1281.39,1133.61
  Top1 w6: v6(1386.29,983) 1388,983 1404.28,999.28 R18.2@1404.28,1005.18
  Top1 w7: v1(1252.22,1136.88) v1@1255.48,1133.61 ; 1281.39,1133.61 U4.16@1286.65,1128.35
  signal3 w5: v1@1252.22,1135.77 1387,1000.98 1387,983.71 v6(1386.29,983) ; v1(1340,848) 1387,895 v6@1387,982
  signal3 w6: v1@1252.22,1135.77 v1(1252.22,1136.88)
EINK_CS: EINK1.13 IC2.4 TP23.1 | length 2089.8
  Bottom4 w6: EINK1.13@256.31,606.84 214.18,606.84 99.81,721.21 99.81,926.81 107,934 416.54,934 811.85,1329.31 852.81,1329.31 894.5,1371 1107.43,1371 1176.05,1302.39 1525.22,1302.39 1547.6,1280.01 IC2.4@1547.6,1269.18
ESP_EN: C10.1 Q3.6 R13.2 S1.1 TP5.1 U4.9 | length 1967.2
  Top1 w5: S1.1@172.21,655.31 198.12,681.22 198.12,721.64 408.83,932.35 432.29,955.81 578.71,955.81 678,955.81 724.91,955.81 748.37,932.35 v1(994.52,932.35) ; v1(1070,722) 1095.45,722 1139.45,678 v1(1144.02,677.98) ; v1@1144,678.53 1159.84,678.53 Q3.6@1160.12,678.8 ; Q3.6@1160.12,682.8 Q3.6@1160.32,682.61 ; U4.9@1203.48,1045.18 1202.5,1044.2 1202.5,996.5 1192,986 v1(1192,981) 1193.5,979.5 1259.59,979.5 1270.09,969 R13.2@1284.53,969
  Top1 w10: R13.2@1283.53,961 1284.28,961.75 C10.1@1318.22,961.75
  signal3 w5: v1@1076.86,724 1091.78,724 1217,849.22 1217,956 v1(1192,981)
  Bottom4 w5: TP5.1@584.91,875 666.7,956.78 v1(678,956.78) ; v1@995.57,934.5 1022.66,934.5 1062.16,974 1180,974 1182.13,976.13 1183.07,976.13 1187.94,981 v1(1192,981)
GDR: EINK1.23 Q9.1 R36.2 | length 266.8
  Top1 w5: v1(406,724) R36.2@406,693 419.66,679.34 Q9.1@419.66,645.59
  Bottom4 w5: EINK1.23@256.31,803.69 326.31,803.69 v1(406,724)